# Allegro board meta_carrier_lay_rev1.brd (continued)
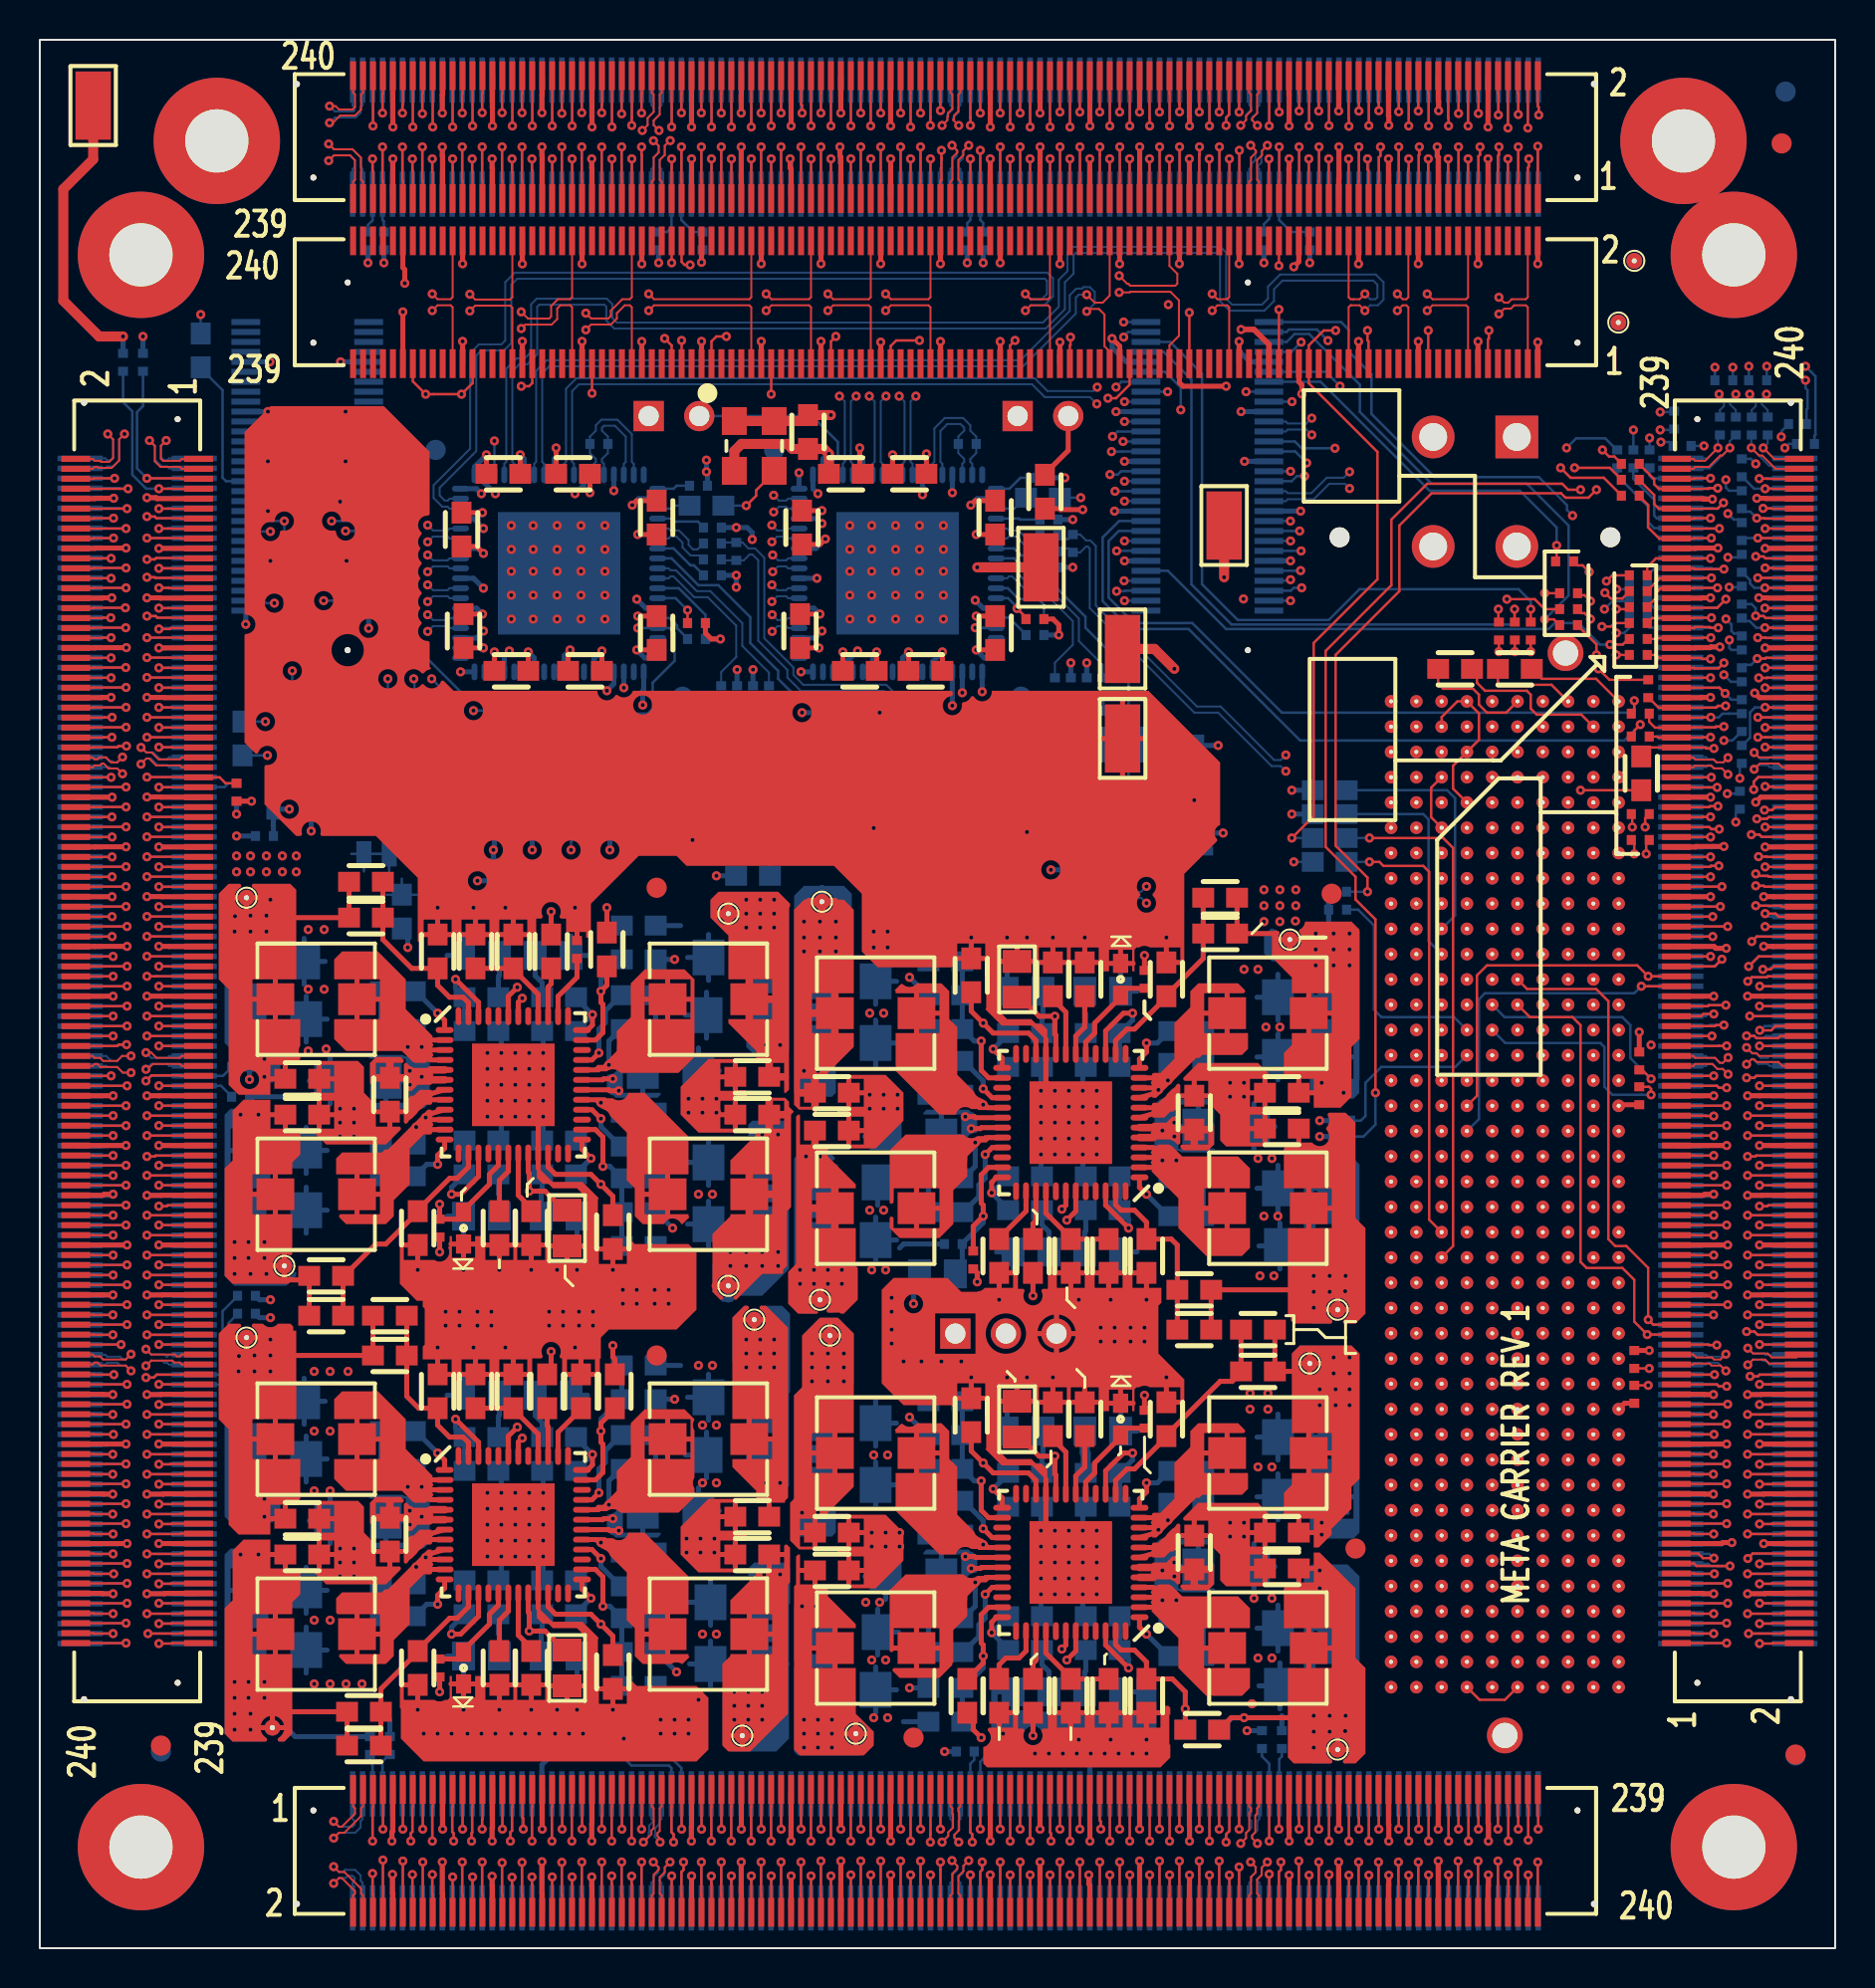
[diagram p0: board, top side]
## Routing (per net, layer and track width the routed paths; a pad name or vN(x,y) marks a point on that pad's centre or on a via; arc(x,y) is an arc through that point) (continued)
N90768718: length 26.4
  TOP w0.127: v1(78.28,64.28) 78.83,63.73 R155.2
  SIGNAL_L12 w0.083: v1(63.27,71.21) 62.9,71.21 62.9,71.2 62.79,71.2 62.23,70.65 62.23,67.44 65.69,63.98 77.98,63.98 v1(78.28,64.28)
  BOTTOM w0.127: v1(63.27,71.21) 62.88,71.21 62.88,71.2 J8.17
N90768719: length 34.5
  SIGNAL_L12 w0.083: v1(84.58,60.68) 85.47,61.57 85.47,64.29 84.78,64.98 84.25,64.98 84.05,65.18 83.38,65.18 82.08,66.48 79.05,66.48 78.61,66.03 78.03,66.03 76.58,67.48 75.38,67.48 74.68,68.18 69.38,68.18 67.82,69.74 67.82,71.44 66.48,72.78 63.18,72.78 62.81,72.41 v1(62.81,71.7)
  BOTTOM w0.127: J8.19 v1(62.81,71.7) ; R157.2 85.46,61.13 85.01,60.68 v1(84.58,60.68)
N93844651: length 1.8
  BOTTOM w0.127: U11.3 R119.2
N93890641: length 1.7
  BOTTOM w0.127: U13.3 R134.2
N96073781: length 1.7
  BOTTOM w0.127: U9.3 R114.2
N907687111: length 30.8
  SIGNAL_L3 w0.081: v1(84.34,78.08) 84.58,77.84 84.58,77.83 84.46,77.71 84.22,77.71 84.2,77.73 84.14,77.73 83.66,78.21 72.64,78.21 71.65,77.22 71.65,75.72 70.51,74.58 68.05,74.58 67.52,75.11 65.54,75.11 64.85,74.42 64.85,73.85 65.12,73.58 65.54,73.58 v1(65.78,73.34)
  BOTTOM w0.102: v1(65.78,73.34) 65.54,73.58 64.77,73.58 63.99,72.8 62.67,72.8 62.58,72.7 J8.23 ; R162.2 84.38,77.28 84.58,77.48 84.58,77.84 v1(84.34,78.08)
N907687112: length 30.4
  SIGNAL_L3 w0.081: v1(85.18,78.08) 84.91,77.81 84.91,77.54 84.75,77.38 84.08,77.38 84.06,77.4 84,77.4 83.52,77.88 72.78,77.88 71.98,77.08 71.98,75.58 70.65,74.25 67.91,74.25 67.38,74.78 65.68,74.78 65.18,74.28 65.18,73.99 65.26,73.91 65.51,73.91 v1(65.78,74.18)
  BOTTOM w0.102: J8.25 62.58,73.2 62.67,73.11 63.86,73.11 64.64,73.88 65.48,73.88 v1(65.78,74.18) ; v1(85.18,78.08) 84.88,77.78 84.88,77.58 85.18,77.28 R164.2
N907687113: length 19.3
  SIGNAL_L5 w0.083: v1(63.53,73.96) 64.46,73.96 65.36,74.86 67.4,74.86 68.18,74.08 75.38,74.08 v1(76.68,75.38)
  BOTTOM w0.127: J8.27 62.87,73.7 63.13,73.96 v1(63.53,73.96) ; v1(76.68,75.38) 77.16,75.86 78.62,75.86 79.2,75.28 R166.2
N907687114: length 19.6
  TOP w0.127: R168.2 79.43,73 78.55,73.88 76.88,73.88 v1(76.38,74.38)
  SIGNAL_L10 w0.083: v1(62.81,74.2) 62.81,73.83 63.05,73.59 64.19,73.59 65.08,74.48 65.55,74.48 65.63,74.55 65.93,74.55 66.01,74.48 66.98,74.48 67.48,73.98 75.98,73.98 v1(76.38,74.38)
  BOTTOM w0.127: v1(62.81,74.2) J8.29
N907687116: length 25.6
  SIGNAL_L5 w0.083: v1(84.13,79.43) 82.78,78.08 67.78,78.08 65.42,75.72 65.42,75.21 65.2,74.99 64.69,74.99 64.33,74.63 v1(63.63,74.63)
  BOTTOM w0.127: v1(63.63,74.63) 63.05,75.2 J8.33 ; v1(84.13,79.43) R170.2
N907687117: length 26.2
  SIGNAL_L10 w0.083: v1(65.05,75.36) 67.4,75.36 68.28,74.48 75.48,74.48 76.01,75.01 77.55,75.01 77.88,74.68 84.58,74.68 84.68,74.58 v1(86.18,74.58)
  BOTTOM w0.127: v1(86.18,74.58) 85.93,74.83 R172.2 ; J8.35 63.03,75.7 63.37,75.36 v1(65.05,75.36)
N907687118: length 30.3
  SIGNAL_L3 w0.081: v1(63.88,76.04) 63.63,76.29 63.47,76.29 63.35,76.16 63.35,75.77 63.65,75.46 64.06,75.46 66.68,78.08 70.81,78.08 71.71,78.98 86.18,78.98 86.51,78.65 86.51,78.29 v1(86.72,78.08)
  BOTTOM w0.102: v1(63.88,76.04) 63.61,76.3 62.67,76.3 62.58,76.2 J8.37 ; v1(86.72,78.08) 86.48,77.85 86.48,77.58 86.78,77.28 R173.2
N907687119: length 30.9
  SIGNAL_L3 w0.081: v1(85.88,78.08) 86.18,78.38 86.18,78.51 86.04,78.65 71.85,78.65 70.95,77.75 66.81,77.75 64.2,75.13 63.52,75.13 63.02,75.63 63.02,76.3 63.34,76.62 63.63,76.62 v1(63.88,76.87)
  BOTTOM w0.102: v1(63.88,76.87) 63.61,76.61 62.67,76.61 62.58,76.7 J8.39 ; R176.2 85.98,77.28 86.18,77.48 86.18,77.78 v1(85.88,78.08)
N907687121: length 21.4
  SIGNAL_L12 w0.083: v1(81.41,75.67) 81.15,75.41 79.75,75.41 77.45,77.7 v1(62.89,77.7)
  BOTTOM w0.127: R178.2 81.84,75.67 v1(81.41,75.67) ; J8.43 v1(62.89,77.7)
N907687122: length 28.2
  SIGNAL_L10 w0.083: v1(85.83,79.48) 85.03,78.68 76.78,78.68 76.14,79.32 61.7,79.32 v1(60.58,78.2)
  BOTTOM w0.127: v1(60.58,78.2) J8.45 ; v1(85.83,79.48) 85.83,78.78 R180.2
N907687123: length 19.2
  TOP w0.127: v1(76.18,70.48) 76.18,69.73 R182.2
  BOTTOM w0.127: v1(76.18,70.48) 76.18,71.38 74.33,73.23 69.8,73.23 64.32,78.7 J8.47
N907687124: length 38.6
  SIGNAL_L12 w0.083: v1(65.3,78.48) 62.91,78.48 62.48,78.05 62.48,77.48 62.68,77.28 64.98,77.28 67.88,74.38 75.58,74.38 75.98,74.78 84.38,74.78 85.5,73.66 85.5,69.03 v1(84.85,68.38)
  BOTTOM w0.127: v1(84.85,68.38) 85.43,68.38 R184.2 ; v1(65.3,78.48) 64.97,78.81 64.97,78.82 64.58,79.2 J8.49
N907687126: length 43.1
  SIGNAL_L10 w0.083: v1(84.85,65.73) 85.5,65.73 86.61,66.84 86.83,66.84 87.08,67.09 87.08,76.48 87.18,76.58 87.18,77.33 87.18,77.33 87.18,77.97 87.18,77.97 87.18,79.68 86.88,79.98 83.08,79.98 82.48,79.38 76.98,79.38 76.15,80.21 63.83,80.21 v1(63.35,80.69)
  BOTTOM w0.127: R186.2 84.96,65.23 84.85,65.33 v1(84.85,65.73) ; v1(63.35,80.69) 62.86,80.2 J8.53
N907687127: length 26.1
  TOP w0.127: v1(75.58,66.77) 76.04,66.77 R188.2
  BOTTOM w0.127: v1(75.58,66.77) 76.78,67.97 76.78,71.48 74.68,73.58 69.9,73.58 66.29,77.19 66.29,78.56 63.75,81.1 63.02,81.1 62.62,80.7 J8.55
N907687128: length 49.9
  SIGNAL_L12 w0.083: v1(85.38,58.78) 86.48,58.78 87.18,59.48 87.18,75.48 85.68,76.98 84.68,76.98 83.45,78.21 81.45,78.21 75.97,83.69 66.4,83.69 64.69,81.99 v1(64.69,80.77)
  BOTTOM w0.127: v1(64.69,80.77) 64.14,81.33 62.74,81.33 62.62,81.2 J8.57 ; v1(85.38,58.78) 85.38,59.43 R190.2
N907687129: length 41.1
  TOP w0.127: v1(79.98,56.33) 79.98,56.93 R192.2
  SIGNAL_L10 w0.083: v1(79.98,56.33) 81.81,58.16 81.81,64.26 79.19,66.89 78.3,66.89 78.03,67.15 77.61,67.15 76.98,67.78 v1(76.98,71.98)
  BOTTOM w0.127: J8.59 65.36,81.7 65.74,81.32 65.74,80.22 66.88,79.08 66.88,77.09 70.05,73.91 75.29,73.91 76.7,72.5 76.7,72.26 v1(76.98,71.98)
N907687131: length 28.2
  TOP w0.127: R145.1 79.83,68.16 79.48,67.81 78.9,67.81 v1(78.6,68.1)
  SIGNAL_L5 w0.083: v1(54.48,67.7) 55.02,68.25 61.11,68.25 62.13,67.23 64.42,67.23 65.46,68.28 74.28,68.28 74.88,67.68 76.34,67.68 76.77,68.1 v1(78.6,68.1)
  BOTTOM w0.127: v1(54.48,67.7) J8.4
N907687132: length 29.1
  TOP w0.127: R146.1 79.73,67.28 v1(79.18,67.28)
  SIGNAL_L3 w0.083: v1(54.08,68.18) 54.91,68.18 56.91,66.18 77.48,66.18 77.63,66.03 78.61,66.03 78.78,66.21 78.79,66.21 78.81,66.23 78.81,66.23 79.18,66.61 v1(79.18,67.28)
  BOTTOM w0.127: J8.6 54.5,68.2 54.47,68.18 v1(54.08,68.18)
N907687133: length 30.4
  SIGNAL_L5 w0.083: v1(79.18,66.08) 78.65,66.08 78.55,65.98 77.68,65.98 77.38,66.28 55.03,66.28 53.58,67.73 53.58,68.28 54,68.7 v1(54.46,68.7)
  BOTTOM w0.127: v1(54.46,68.7) J8.8 ; R151.1 79.83,66.34 79.57,66.08 v1(79.18,66.08)
N907687134: length 26.2
  TOP w0.127: R153.1 79.78,65.78 79.5,65.5 v1(78.86,65.5)
  BOTTOM w0.127: v1(78.86,65.5) 78.36,65.5 77.28,66.58 76.08,66.58 75.78,66.28 59.58,66.28 56.66,69.2 J8.10
N907687136: length 22.8
  TOP w0.127: v1(73.25,67.28) 73.25,66.66 R160.1
  SIGNAL_L3 w0.083: v1(54.08,70.2) 54.74,70.2 57.97,66.98 72.95,66.98 v1(73.25,67.28)
  BOTTOM w0.127: v1(54.08,70.2) J8.14
N907687137: length 35.5
  SIGNAL_L12 w0.083: v1(84.58,63.98) 84.28,64.28 80.18,64.28 79.58,63.68 64.88,63.68 61.48,67.08 59.88,67.08 56.25,70.7 v1(54.48,70.7)
  BOTTOM w0.127: v1(54.48,70.7) J8.16 ; v1(84.58,63.98) 84.93,63.63 R148.1
N907687138: length 34.9
  TOP w0.127: v1(80.08,62.68) 80.08,62.16 79.95,62.03 R149.1
  BOTTOM w0.127: v1(80.08,62.68) 80.08,62.28 79.88,62.08 62.38,62.08 57.88,66.58 54.96,66.58 53.68,67.86 53.68,70.7 54.19,71.2 J8.18
N907687139: length 36.7
  TOP w0.127: R156.1 80.08,61.03 80.08,61.18 v1(80.38,61.48)
  BOTTOM w0.127: J8.20 54.2,71.7 53.38,70.88 53.38,67.68 54.78,66.28 57.7,66.28 63.3,60.68 79.58,60.68 v1(80.38,61.48)
N907687141: length 29.7
  SIGNAL_L5 w0.083: v1(80.85,75.88) 80.85,75.35 78.28,72.78 54.92,72.78 54.85,72.7 v1(54.48,72.7)
  BOTTOM w0.127: v1(54.48,72.7) J8.24 ; v1(80.85,75.88) R161.1
N907687142: length 28.6
  TOP w0.127: v1(78.48,75.28) 78.81,74.95 79.08,74.95 79.43,74.6 R163.1
  SIGNAL_L5 w0.083: v1(78.48,75.28) 78.48,74.91 76.54,72.97 59.29,72.97 59.06,73.2 v1(54,73.2)
  BOTTOM w0.127: J8.26 54.67,73.2 54.67,73.2 v1(54,73.2)
N907687143: length 30.8
  TOP w0.127: R165.1 79.43,73.8 78.85,74.38 v1(77.08,74.38)
  SIGNAL_L5 w0.083: v1(77.08,74.38) 76.38,73.68 67.98,73.68 66.98,74.68 65.48,74.68 64.25,73.45 60.26,73.45 59.39,74.32 54.33,74.32 54.24,74.41 53.59,74.41 53.37,74.19 53.37,73.76 53.54,73.58 53.81,73.58 53.94,73.7 v1(54.48,73.7)
  BOTTOM w0.127: J8.28 v1(54.48,73.7)
N907687144: length 31.7
  SIGNAL_L5 w0.083: v1(80.04,76.28) 78.78,76.28 78.08,75.58 78.08,74.85 76.51,73.28 66.78,73.28 66.28,73.78 65.08,73.78 64.46,73.16 59.96,73.16 59.05,74.08 54.15,74.08 54.12,74.04 v1(53.75,74.04)
  BOTTOM w0.127: v1(80.04,76.28) R167.1 ; v1(53.75,74.04) 54.14,74.04 54.3,74.2 J8.30
N907687146: length 43.2
  SIGNAL_L5 w0.083: v1(53.82,75.19) 54.16,75.19 54.23,75.27 54.23,75.27 54.28,75.31 64.01,75.31 67.68,78.98 82.28,78.98 83.58,80.28 87.88,80.28 v1(88.68,79.48)
  BOTTOM w0.127: J8.34 54.37,75.2 54.36,75.19 v1(53.82,75.19) ; v1(88.68,79.48) 89.18,78.98 89.18,76.04 89.13,75.99 R169.1
N907687147: length 33.9
  SIGNAL_L10 w0.083: v1(84.68,73.78) 84.08,74.38 77.78,74.38 77.38,74.78 76.18,74.78 75.68,74.28 67.88,74.28 67.28,74.88 64.18,74.88 63.36,75.7 v1(54.41,75.7)
  BOTTOM w0.127: R171.1 84.84,73.23 84.68,73.39 v1(84.68,73.78) ; J8.36 v1(54.41,75.7)
N907687148: length 43.1
  SIGNAL_L5 w0.083: v1(88.68,78.78) 88.23,78.78 87.03,79.98 83.88,79.98 82.48,78.58 67.68,78.58 64.18,75.08 54.31,75.08 54.05,74.82 53.65,74.82 53.47,75.01 53.47,75.02 53.45,75.04 53.45,75.53 v1(53.88,75.96)
  BOTTOM w0.127: R174.1 88.73,77.31 88.78,77.36 88.78,78.28 88.68,78.38 v1(88.68,78.78) ; J8.38 54.12,76.2 v1(53.88,75.96)
N907687149: length 41.8
  SIGNAL_L3 w0.083: v1(84.78,72.08) 85.28,72.58 85.28,73.78 84.78,74.28 83.88,74.28 82.38,75.78 82.38,77.38 82.08,77.68 73.48,77.68 72.58,76.78 72.58,75.18 70.18,72.78 58.4,72.78 v1(54.48,76.7)
  BOTTOM w0.127: v1(54.48,76.7) J8.40 ; R175.1 85.33,71.78 85.08,71.78 v1(84.78,72.08)
N907687151: length 29.9
  SIGNAL_L10 w0.083: v1(81.38,77.18) 80.58,77.98 76.85,77.98 75.94,78.89 62.46,78.89 61.27,77.7 v1(54.48,77.7)
  BOTTOM w0.127: v1(81.38,77.18) 82.03,77.18 R177.1 ; v1(54.48,77.7) J8.44
N907687152: length 34.4
  SIGNAL_L12 w0.083: v1(84.78,69.88) 84.78,71.56 84.63,71.71 84.63,71.71 84.41,71.93 84.41,71.93 84.12,72.22 81.84,72.22 80.18,73.88 67.18,73.88 66.38,74.68 64.66,74.68 63.93,75.41 61.04,75.41 58.24,78.2 v1(56.64,78.2)
  BOTTOM w0.127: v1(84.78,69.88) 85.33,69.88 R179.1 ; v1(56.64,78.2) J8.46
N907687153: length 38.9
  SIGNAL_L12 w0.083: v1(84.68,66.78) 84.25,67.22 83.32,67.22 82.98,66.88 78.38,66.88 78.08,67.18 77.38,67.18 75.88,68.68 73.98,68.68 69.1,73.56 66.7,73.56 66.48,73.78 64.78,73.78 64.56,73.56 59.56,73.56 54.69,78.44 v1(54.05,78.44)
  BOTTOM w0.127: v1(84.68,66.78) 84.96,66.51 84.96,66.18 85.09,66.06 85.36,66.06 R181.1 ; J8.48 54.32,78.7 v1(54.05,78.44)
N907687154: length 38.7
  TOP w0.127: v1(75.58,68.08) R183.1
  SIGNAL_L10 w0.083: v1(75.58,68.08) 76.08,68.08 76.58,68.58 76.58,72.95 75.92,73.62 66.03,73.62 65.93,73.71 65.63,73.71 65.53,73.62 64.88,73.62 64.64,73.38 62.59,73.38 60.63,75.33 54.25,75.33 54.25,75.34 54.2,75.34 53.98,75.57 53.77,75.57 53.76,75.57 53.74,75.57 53.73,75.59 53.72,75.59 53.5,75.8 53.5,75.83 53.46,75.87 53.46,76.05 53.5,76.09 53.5,76.11 53.72,76.33 53.74,76.33 53.75,76.33 56.34,76.33 v1(57.3,77.29)
  BOTTOM w0.127: v1(57.3,77.29) 57.3,78.41 56.51,79.2 J8.50
N907687156: length 31.6
  TOP w0.127: v1(74.07,67.28) 74.07,66.64 R185.1
  BOTTOM w0.127: v1(74.07,67.28) 74.07,66.61 73.97,66.51 59.85,66.51 57.84,68.52 57.84,78.81 56.44,80.2 J8.54
N907687157: length 33.2
  TOP w0.127: v1(74.88,67.28) 74.88,66.73 R187.1
  BOTTOM w0.127: v1(74.88,67.28) 74.88,67.67 74.27,68.28 66.28,68.28 64.73,66.73 60.16,66.73 58.37,68.53 58.37,79.1 56.77,80.7 J8.56
N907687158: length 54.1
  TOP w0.127: v1(80.08,54.98) 80.08,55.53 R189.1
  SIGNAL_L12 w0.083: v1(80.08,54.98) 80.08,55.35 79.85,55.58 79.08,55.58 78.78,55.88 78.78,62.78 78.3,63.26 64.9,63.26 61.38,66.78 59.18,66.78 56.64,69.32 53.82,69.32 50.72,72.41 50.72,78.62 53.38,81.28 54.1,81.28 v1(54.43,80.94)
  BOTTOM w0.127: v1(54.43,80.94) 54.4,80.94 54.66,81.2 J8.58
N907687159: length 60.4
  SIGNAL_L12 w0.083: v1(85.18,56.58) 84.68,56.58 84.58,56.68 84.28,56.68 84.16,56.56 83.98,56.38 83.48,56.38 81.58,54.48 78.98,54.48 78.58,54.88 78.58,61.68 78.23,62.03 65.63,62.03 61.28,66.38 58.58,66.38 55.83,69.13 53.74,69.13 53.74,69.14 53.64,69.14 50.5,72.29 50.5,78.7 53.5,81.7 v1(54.43,81.7)
  BOTTOM w0.127: v1(85.18,56.58) 85.18,57.03 R191.1 ; v1(54.43,81.7) J8.60

## Copper pours and planes (outline as drawn; the poured copper is in the pictures)
GND on TOP (solid shape): 35.48,44.48 34.18,44.48 34.18,43.08 35.48,43.08 35.48,42.58 34.18,42.58 34.18,41.18 35.23,41.18 35.33,41.12 35.31,41.01 35.28,40.98 33.08,40.98 32.18,41.88 32.18,43.28 33.58,44.68 35.48,44.68
GND on TOP (solid shape): 35.48,22.38 34.18,22.38 34.18,20.98 35.48,20.98 35.48,20.48 34.18,20.48 34.18,19.08 35.23,19.08 35.33,19.02 35.31,18.91 35.28,18.88 33.08,18.88 32.18,19.78 32.18,21.18 33.58,22.58 35.48,22.58
GND on TOP (solid shape): 43.38,42.98 43.38,41.58 41.98,40.18 40.08,40.18 40.08,40.38 41.38,40.38 41.38,41.78 40.08,41.78 40.08,42.28 41.38,42.28 41.38,43.68 40.33,43.68 40.23,43.74 40.25,43.85 40.28,43.88 42.48,43.88
GND on TOP (solid shape): 43.38,20.88 43.38,19.48 41.98,18.08 40.08,18.08 40.08,18.28 41.38,18.28 41.38,19.68 40.08,19.68 40.08,20.18 41.38,20.18 41.38,21.58 40.33,21.58 40.23,21.64 40.25,21.75 40.28,21.78 42.48,21.78
GND on TOP (solid shape): 16.28,44.28 16.28,42.98 16.68,42.58 16.88,42.58 16.88,41.28 18.03,41.28 18.13,41.22 18.11,41.11 17.38,40.38 14.38,40.38 13.75,41.01 13.73,41.12 13.83,41.18 14.78,41.18 14.78,42.58 13.58,42.58 13.58,42.98 14.78,42.98 14.78,44.38 13.83,44.38 13.73,44.44 13.75,44.55 13.78,44.58 15.98,44.58
GND on TOP (solid shape): 16.28,22.18 16.28,20.88 16.68,20.48 16.88,20.48 16.88,19.18 18.03,19.18 18.13,19.12 18.11,19.01 17.38,18.28 14.38,18.28 13.75,18.91 13.73,19.02 13.83,19.08 14.78,19.08 14.78,20.48 13.58,20.48 13.58,20.88 14.78,20.88 14.78,22.28 13.83,22.28 13.73,22.34 13.75,22.45 13.78,22.48 15.98,22.48
GND on TOP (solid shape): 61.81,43.85 61.83,43.74 61.73,43.68 60.78,43.68 60.78,42.28 61.98,42.28 61.98,41.88 60.78,41.88 60.78,40.48 61.73,40.48 61.83,40.42 61.81,40.31 61.78,40.28 59.58,40.28 59.28,40.58 59.28,41.88 58.88,42.28 58.68,42.28 58.68,43.58 57.53,43.58 57.43,43.64 57.45,43.75 58.18,44.48 61.18,44.48
GND on TOP (solid shape): 61.81,21.75 61.83,21.64 61.73,21.58 60.78,21.58 60.78,20.18 61.98,20.18 61.98,19.78 60.78,19.78 60.78,18.38 61.73,18.38 61.83,18.32 61.81,18.21 61.78,18.18 59.58,18.18 59.28,18.48 59.28,19.78 58.88,20.18 58.68,20.18 58.68,21.48 57.53,21.48 57.43,21.54 57.45,21.65 58.18,22.38 61.18,22.38
GND on TOP (solid shape): 19.68,20.99 19.71,20.89 19.76,20.81 19.77,20.78 19.76,20.75 19.68,20.59 19.7,20.42 19.69,20.32 19.6,20.28 19.38,20.28 19.17,20.07 19.04,19.98 18.95,19.85 18.69,19.59 18.56,19.5 18.47,19.38 18.45,19.35 18.34,19.33 18.28,19.43 18.28,20.48 18.38,20.48 18.63,20.73 18.78,20.73 19.08,21.03 19.68,21.03
GND on TOP (solid shape): 57.11,43.41 57.22,43.43 57.28,43.33 57.28,42.28 57.18,42.28 56.93,42.03 56.78,42.03 56.48,41.73 55.88,41.73 55.88,41.77 55.85,41.87 55.8,41.95 55.79,41.98 55.8,42.01 55.88,42.17 55.86,42.34 55.87,42.44 55.96,42.48 56.18,42.48 56.39,42.69 56.52,42.78 56.61,42.91 56.87,43.17 57,43.26 57.09,43.38
GND on TOP (solid shape): 19.68,43.09 19.71,42.99 19.76,42.91 19.77,42.88 19.76,42.85 19.68,42.69 19.7,42.52 19.69,42.42 19.6,42.38 19.38,42.38 19.17,42.17 19.16,42.16 19.04,42.08 18.95,41.96 18.95,41.95 18.69,41.69 18.68,41.69 18.56,41.6 18.47,41.48 18.45,41.45 18.34,41.43 18.28,41.53 18.28,42.58 18.38,42.58 18.63,42.83 18.78,42.83 19.08,43.13 19.68,43.13
GND on TOP (solid shape): 57.11,21.31 57.22,21.33 57.28,21.23 57.28,20.18 57.18,20.18 56.93,19.93 56.78,19.93 56.48,19.63 55.88,19.63 55.88,19.67 55.85,19.77 55.8,19.85 55.79,19.88 55.8,19.91 55.88,20.07 55.86,20.24 55.87,20.34 55.96,20.38 56.18,20.38 56.39,20.59 56.4,20.6 56.52,20.68 56.61,20.8 56.61,20.81 56.87,21.07 56.88,21.07 57,21.16 57.09,21.28
GND on TOP (solid shape): 25.05,17.18 25.12,17.15 25.15,17.08 25.15,17 25.75,16.4 27.26,16.4 28.07,15.59 28.04,15.53 28.03,15.53 28.03,13.93 28.08,13.93 28.08,12.28 29.48,12.28 29.48,13.48 29.68,13.48 29.98,13.18 32.98,13.18 33.58,12.58 33.58,9.98 32.98,9.38 19.28,9.38 18.13,10.53 18.13,12.03 18.08,12.08 18.08,13.45 18.11,13.47 18.22,13.49 18.28,13.4 18.28,12.48 19.81,12.48 20.07,12.4 20.33,12.47 20.35,12.48 20.48,12.48 20.58,12.58 20.58,13.15 20.58,13.68 20.7,13.68 20.7,12.6 21.86,12.6 21.86,13.68 22.38,13.68 22.38,12.48 23.78,12.48 23.78,13.68 23.98,13.68 23.98,12.48 25.38,12.48 25.38,13.68 25.55,13.68 25.55,12.4 27.41,12.4 27.41,13.81 27.48,13.88 27.48,15.58 27.46,15.6 27.46,15.81 27.25,15.81 26.98,16.08 25.76,16.08 25.53,16.31 25.25,16.31 24.96,16.6 24.96,16.99 24.91,17.04 24.91,17.08 24.94,17.15 25.01,17.18
GND on TOP (solid shape): 51.08,11.08 52.48,11.08 52.48,12.18 52.98,12.18 52.98,11.08 54.38,11.08 54.38,12.18 54.88,12.18 54.88,11.08 56.28,11.08 56.28,12.18 56.68,12.18 56.78,12.08 56.78,11.73 56.73,11.73 56.73,10.23 56.78,10.23 56.78,9.58 56.28,9.08 47.58,9.08 47.38,9.28 47.38,10.11 47.42,10.12 47.74,10.45 47.63,10.91 47.61,11.02 47.71,11.08 48.88,11.08 48.88,11.98 49.13,11.98 49.13,11.03 49.35,11.03 49.44,10.98 49.45,10.88 49.88,10.2 50.31,10.88 50.32,10.98 50.41,11.03 50.63,11.03 50.63,11.98 50.68,11.98 50.88,12.18 51.08,12.18
GND on TOP (solid shape): 25.05,39.28 25.12,39.25 25.15,39.18 25.15,39.1 25.75,38.5 27.26,38.5 28.07,37.69 28.04,37.63 28.03,37.63 28.03,36.03 28.08,36.03 28.08,34.38 29.48,34.38 29.48,35.58 29.68,35.58 29.88,35.38 32.58,35.38 32.98,34.98 32.98,32.08 31.98,31.08 28.58,31.08 28.18,30.68 28.18,29.63 28.13,29.63 28.13,28.83 27.98,28.68 27.88,28.68 27.88,29.58 26.48,29.58 26.48,28.68 26.23,28.68 26.23,29.63 26.21,29.63 26.12,29.68 26.11,29.78 25.68,30.46 25.25,29.78 25.24,29.68 25.15,29.63 24.73,29.63 24.73,28.53 24.68,28.48 24.48,28.48 24.48,29.58 23.08,29.58 23.08,28.48 22.58,28.48 22.58,29.58 21.18,29.58 21.18,28.48 20.68,28.48 20.68,29.58 19.23,29.58 19.23,30.23 19.33,30.33 19.33,32.13 19.23,32.23 19.23,32.53 18.93,32.53 18.08,33.38 18.08,35.55 18.11,35.57 18.22,35.59 18.28,35.5 18.28,34.58 19.81,34.58 20.39,34.61 20.52,35.18 20.51,35.19 20.51,35.25 20.58,35.25 20.58,35.78 20.7,35.78 20.7,34.7 21.86,34.7 21.86,35.78 22.38,35.78 22.38,34.58 23.78,34.58 23.78,35.78 23.98,35.78 23.98,34.58 25.38,34.58 25.38,35.78 25.55,35.78 25.55,34.5 27.41,34.5 27.41,35.91 27.48,35.98 27.48,37.68 27.46,37.7 27.46,37.91 27.25,37.91 26.98,38.18 25.76,38.18 25.53,38.41 25.25,38.41 24.96,38.7 24.96,39.09 24.91,39.14 24.91,39.18 24.94,39.25 25.01,39.28
GND on TOP (solid shape): 49.13,33.13 49.35,33.13 49.37,33.13 49.4,33.12 49.42,33.11 49.44,33.08 49.45,33.06 49.46,33.03 49.45,33 49.43,32.96 49.41,32.9 49.4,32.84 49.4,32.77 49.4,32.71 49.42,32.65 49.44,32.59 49.47,32.54 49.5,32.48 49.54,32.44 49.59,32.4 49.64,32.36 49.7,32.34 49.76,32.32 49.82,32.3 49.88,32.3 49.94,32.3 50,32.32 50.06,32.34 50.12,32.36 50.17,32.4 50.22,32.44 50.26,32.48 50.29,32.54 50.32,32.59 50.34,32.65 50.36,32.71 50.36,32.77 50.36,32.84 50.35,32.9 50.33,32.96 50.31,33 50.3,33.03 50.31,33.06 50.32,33.08 50.34,33.11 50.36,33.12 50.39,33.13 50.41,33.13 50.63,33.13 50.63,34.28 51.08,34.28 51.08,33.18 52.48,33.18 52.48,34.28 52.98,34.28 52.98,33.18 54.38,33.18 54.38,34.28 54.88,34.28 54.88,33.18 56.33,33.18 56.33,32.43 56.18,32.28 56.18,29.88 57.48,28.58 57.48,27.21 57.44,27.18 57.42,27.16 57.39,27.16 57.36,27.16 57.33,27.17 57.31,27.19 57.29,27.22 57.28,27.25 57.28,27.26 57.28,28.18 55.75,28.18 55.72,28.2 55.66,28.22 55.61,28.24 55.55,28.26 55.49,28.26 55.43,28.26 55.37,28.25 55.31,28.23 55.25,28.2 55.21,28.18 55.08,28.18 54.98,28.08 54.98,27.51 54.98,26.98 54.86,26.98 54.86,28.06 53.7,28.06 53.7,26.98 53.18,26.98 53.18,28.18 51.78,28.18 51.78,26.98 51.58,26.98 51.58,28.18 50.18,28.18 50.18,26.98 50.01,26.98 50.01,28.26 48.15,28.26 48.15,26.85 48.08,26.78 48.08,25.08 48.1,25.06 48.1,24.85 48.31,24.85 48.58,24.58 49.8,24.58 50.03,24.35 50.31,24.35 50.6,24.06 50.6,23.67 50.65,23.62 50.65,23.54 50.63,23.52 50.61,23.5 50.59,23.49 50.47,23.49 50.45,23.5 50.43,23.52 50.41,23.54 50.41,23.66 49.81,24.26 48.3,24.26 47.49,25.07 47.52,25.13 47.53,25.13 47.53,26.73 47.48,26.73 47.48,28.38 46.08,28.38 46.08,27.18 45.88,27.18 45.78,27.28 43.38,27.28 42.28,28.38 42.28,29.87 46.99,29.87 46.99,30.88 47.51,30.88 47.51,30.79 47.52,30.7 47.54,30.61 47.57,30.53 47.6,30.45 47.65,30.37 47.7,30.29 47.75,30.22 47.81,30.16 47.88,30.1 47.95,30.04 48.03,30 48.11,29.96 48.19,29.92 48.28,29.9 48.36,29.88 48.45,29.87 48.54,29.87 48.63,29.87 48.72,29.89 48.81,29.91 48.89,29.94 48.97,29.97 49.05,30.02 49.13,30.07 49.2,30.13 49.26,30.19 49.32,30.26 49.37,30.33 49.42,30.41 49.45,30.49 49.48,30.57 49.51,30.66 49.52,30.75 49.53,30.84 49.53,30.88 50.1,30.88 50.1,30.79 50.11,30.71 50.13,30.62 50.16,30.54 50.2,30.46 50.24,30.38 50.29,30.31 50.34,30.24 50.4,30.18 50.47,30.12 50.54,30.07 50.62,30.03 50.7,29.99 50.78,29.96 50.86,29.94 50.95,29.92 51.04,29.92 51.13,29.92 51.21,29.93 51.3,29.95 51.38,29.97 51.46,30.01 51.54,30.05 51.62,30.09 51.68,30.15 51.75,30.21 51.81,30.27 51.86,30.34 51.9,30.42 51.94,30.5 51.97,30.58 52,30.66 52.01,30.75 52.02,30.84 52.02,30.92 52.01,31.01 52,31.1 51.97,31.18 51.94,31.26 51.9,31.34 51.86,31.42 51.81,31.49 51.75,31.55 51.68,31.61 51.62,31.67 51.54,31.71 51.46,31.75 51.38,31.79 51.3,31.81 51.21,31.83 51.13,31.84 51.04,31.84 50.95,31.84 50.86,31.82 50.78,31.8 50.7,31.77 50.62,31.73 50.54,31.69 50.47,31.64 50.4,31.58 50.34,31.52 50.29,31.45 50.24,31.38 50.2,31.3 50.16,31.22 50.13,31.14 50.11,31.05 50.1,30.97 50.1,30.88 49.53,30.88 49.53,30.92 49.52,31.01 49.51,31.1 49.48,31.19 49.45,31.27 49.42,31.35 49.37,31.43 49.32,31.5 49.26,31.57 49.2,31.63 49.13,31.69 49.05,31.74 48.97,31.79 48.89,31.82 48.81,31.85 48.72,31.87 48.63,31.89 48.54,31.89 48.45,31.89 48.36,31.88 48.28,31.86 48.19,31.84 48.11,31.8 48.03,31.76 47.95,31.72 47.88,31.66 47.81,31.6 47.75,31.54 47.7,31.47 47.65,31.39 47.6,31.31 47.57,31.23 47.54,31.15 47.52,31.06 47.51,30.97 47.51,30.88 46.99,30.88 46.99,31.89 44.97,31.89 44.97,29.87 42.28,29.87 42.28,32.38 43.4,32.38 43.4,32.32 43.42,32.26 43.43,32.2 43.46,32.14 43.49,32.09 43.53,32.05 43.58,32 43.63,31.97 43.69,31.94 43.74,31.92 43.8,31.91 43.86,31.9 43.93,31.9 43.99,31.91 44.05,31.93 44.1,31.95 44.16,31.99 44.2,32.02 44.25,32.07 44.28,32.12 44.31,32.17 44.34,32.23 44.35,32.29 44.36,32.35 44.36,32.41 44.35,32.47 44.34,32.53 44.31,32.59 44.28,32.64 44.25,32.69 44.2,32.74 44.16,32.77 44.1,32.81 44.05,32.83 43.99,32.85 43.93,32.86 43.86,32.86 43.8,32.85 43.74,32.84 43.69,32.82 43.63,32.79 43.58,32.76 43.53,32.71 43.49,32.67 43.46,32.62 43.43,32.56 43.42,32.5 43.4,32.44 43.4,32.38 42.28,32.38 42.28,33.08 42.88,33.68 45.58,33.68 46.28,32.98 47.08,32.98 47.1,33 47.15,33 47.21,33.02 47.28,33.04 47.33,33.07 47.39,33.11 47.43,33.15 47.45,33.18 48.88,33.18 48.88,34.28 49.13,34.28
GND on TOP (solid shape): outline of 1816 points within 10.28,45.59 59.28,77.48
GND on BOTTOM (solid shape): 48.1,11.95 49.51,11.95 49.58,11.88 53.58,11.88 53.65,11.95 55.06,11.95 55.06,13.58 55.58,13.58 56.08,13.08 56.08,9.58 55.64,9.14 52.85,9.14 52.85,9.09 52.63,9.09 52.63,9.14 49.62,9.14 49.38,9.38 49.38,10.08 49.08,10.38 48.21,10.38 48.08,10.38 47.78,10.68 49.4,10.68 49.4,10.62 49.42,10.56 49.43,10.5 49.46,10.44 49.49,10.39 49.53,10.35 49.58,10.3 49.63,10.27 49.69,10.24 49.74,10.22 49.8,10.21 49.86,10.2 49.93,10.2 49.99,10.21 50.05,10.23 50.1,10.25 50.16,10.29 50.2,10.32 50.25,10.37 50.28,10.42 50.31,10.47 50.34,10.53 50.35,10.59 50.36,10.65 50.36,10.71 50.35,10.77 50.34,10.83 50.31,10.89 50.28,10.94 50.25,10.99 50.2,11.04 50.16,11.07 50.1,11.11 50.05,11.13 49.99,11.15 49.93,11.16 49.86,11.16 49.8,11.15 49.74,11.14 49.69,11.12 49.63,11.09 49.58,11.06 49.53,11.01 49.49,10.97 49.46,10.92 49.43,10.86 49.42,10.8 49.4,10.74 49.4,10.68 47.78,10.68 47.78,13.38 47.98,13.58 48.1,13.58
GND on BOTTOM: 19.08,10.28 18.08,11.28 14.58,11.28 12.48,13.38 12.48,28.78 13.38,29.68 13.38,34.88 12.83,35.43 12.83,40.33 12.38,40.78 12.38,51.48 13.18,52.28 15.38,52.28 17.58,50.08 19.08,50.08 19.18,50.18 19.18,51.98 19.98,52.78 22.58,52.78 23.38,53.58 32.88,53.58 33.48,52.98 33.48,51.68 34.28,50.88 34.28,45.98 35.48,44.78 35.48,42.68 34.28,41.48 34.28,35.18 33.68,34.58 33.68,32.58 34.48,31.78 34.48,23.28 35.48,22.28 35.48,20.48 34.58,19.58 34.58,14.08 34.38,13.88 34.38,13.18 34.03,12.83 34.03,11.43 32.88,10.28 ; 2 cut-outs
GND on BOTTOM: 42.38,10.78 41.38,11.78 41.38,16.68 40.18,17.88 40.18,19.98 41.38,21.18 41.38,29.18 41.18,29.38 41.18,39.38 40.18,40.38 40.18,42.18 41.08,43.08 41.08,50.18 41.13,50.23 41.13,52.63 42.48,53.98 47.58,53.98 49.28,52.28 56.88,52.28 59.18,49.98 59.18,47.78 58.78,47.38 54.18,47.38 53.68,47.88 53.68,48.88 53.48,49.08 49.28,49.08 49.18,48.98 49.18,47.78 48.78,47.38 47.48,47.38 47.18,47.68 47.18,49.98 46.38,50.78 43.98,50.78 43.28,50.08 43.28,32.08 44.28,31.08 47.08,31.08 47.88,31.88 47.88,35.38 48.08,35.58 48.98,35.58 49.48,35.08 49.48,33.88 49.68,33.68 53.48,33.68 53.78,33.98 53.78,34.98 54.38,35.58 59.08,35.58 59.98,36.48 59.98,42.18 59.48,42.68 59.48,48.58 60.33,49.43 63.03,49.43 63.18,49.28 63.18,33.88 62.28,32.98 62.28,22.88 63.28,21.88 63.28,11.58 63.18,11.48 60.78,11.48 60.18,12.08 60.18,19.98 59.48,20.68 59.48,24.58 58.68,25.38 54.08,25.38 53.88,25.58 53.88,26.78 53.58,27.08 49.38,27.08 49.08,26.78 49.08,25.78 48.68,25.38 47.58,25.38 47.38,25.58 47.38,27.88 46.98,28.28 43.98,28.28 43.48,27.78 43.48,19.88 43.38,19.78 43.38,17.58 43.68,17.28 43.68,10.98 43.48,10.78
GND on GND_L2, GND_L4, GND_L6, GND_L9, GND_L11, GND_L13: 0.89,0.89 0.89,95 89.28,95 89.28,0.89
(no net) on TOP: 9.68,39.58 9.28,39.18 9.28,33.78 9.68,33.38 12.48,33.38 12.68,33.58 12.68,39.48 13.08,39.88 13.08,42.58 12.98,42.68 10.28,42.68 9.68,42.08
(no net) on TOP: 20.78,42.38 19.38,42.38 17.38,40.38 14.38,40.38 13.58,41.18 13.58,44.38 13.78,44.58 15.98,44.58 16.28,44.28 16.28,42.98 16.68,42.58 18.38,42.58 19.08,43.28 20.68,43.28 20.78,43.18
(no net) on TOP: 54.88,18.28 56.78,18.28 57.38,17.68 60.18,17.68 60.78,17.08 60.78,13.08 60.38,12.68 58.58,12.68 57.18,14.08 57.18,15.58 55.78,16.98 54.88,16.98
(no net) on TOP: 66.58,14.08 66.58,9.78 66.08,9.28 62.98,9.28 62.68,9.58 62.68,15.58 62.48,15.78 62.48,18.08 62.53,18.13 62.53,19.73 62.68,19.88 64.28,19.88 66.08,18.08 66.08,14.58
(no net) on TOP: 20.88,22.28 18.58,22.28 18.18,22.68 16.88,22.68 16.58,22.38 16.58,21.38 16.98,20.98 18.68,20.98 18.98,21.28 20.88,21.28
(no net) on TOP: 37.88,42.28 37.43,42.73 36.03,42.73 35.98,42.68 35.98,40.88 34.68,39.58 34.68,36.78 33.78,35.88 33.78,32.98 34.18,32.58 34.98,32.58 36.28,33.88 37.28,33.88 37.53,34.13 37.53,37.03 37.88,37.38
(no net) on TOP: 50.88,12.18 50.68,11.98 47.58,11.98 47.38,11.78 47.38,9.28 47.58,9.08 56.28,9.08 56.78,9.58 56.78,12.08 56.68,12.18
(no net) on TOP: 48.78,40.88 43.48,40.88 42.68,40.08 42.68,36.18 43.18,35.68 45.18,35.68 45.88,36.38 45.88,38.08 46.58,38.78 46.58,39.78 47.28,40.48 48.88,40.48 48.88,40.78
(no net) on TOP: 20.78,42.38 19.58,42.38 17.18,39.98 15.18,39.98 14.88,39.68 14.88,36.88 15.38,36.38 17.38,36.38 17.78,36.78 17.78,37.58 18.58,38.38 18.58,40.18 19.28,40.88 20.78,40.88
(no net) on TOP: 8.98,48.68 8.98,52.98 9.48,53.48 12.58,53.48 12.88,53.18 12.88,47.18 13.08,46.98 13.08,44.68 13.03,44.63 13.03,43.03 12.88,42.88 9.98,42.88 9.48,43.38 9.48,48.18
(no net) on TOP: 65.88,23.18 66.28,23.58 66.28,29.88 65.88,30.28 63.28,30.28 62.88,29.88 62.88,23.28 62.48,22.88 62.48,20.18 62.58,20.08 64.18,20.08 64.88,20.78 64.88,21.08 65.88,22.08
(no net) on TOP: 48.78,18.78 43.48,18.78 42.68,17.98 42.68,14.08 43.18,13.58 45.18,13.58 45.88,14.28 45.88,15.98 46.58,16.68 46.58,17.68 47.28,18.38 48.88,18.38 48.88,18.68
(no net) on TOP: 26.78,43.98 32.08,43.98 32.88,44.78 32.88,48.68 32.38,49.18 30.38,49.18 29.68,48.48 29.68,46.78 28.98,46.08 28.98,45.08 28.28,44.38 26.68,44.38 26.68,44.08
(no net) on TOP: 28.08,42.18 28.28,42.18 29.48,40.98 29.48,38.58 29.88,38.18 29.88,36.78 30.28,36.38 32.28,36.38 32.63,36.73 32.58,36.78 32.58,40.78 30.38,42.98 27.18,42.98 27.18,42.38 27.88,42.38
(no net) on TOP: 9.68,17.48 9.28,17.08 9.28,10.78 9.68,10.38 12.28,10.38 12.68,10.78 12.68,17.38 13.08,17.78 13.08,20.48 12.98,20.58 10.28,20.58 9.68,19.98
(no net) on TOP: 35.48,44.68 33.58,44.68 32.18,43.28 32.18,41.88 33.08,40.98 35.28,40.98 35.48,41.18
(no net) on TOP: 26.78,21.88 32.08,21.88 32.88,22.68 32.88,26.58 32.38,27.08 30.38,27.08 29.68,26.38 29.68,24.68 28.98,23.98 28.98,22.98 28.28,22.28 26.68,22.28 26.68,21.98
(no net) on TOP: 37.33,20.63 36.03,20.63 35.98,20.58 35.98,18.78 34.68,17.48 34.68,14.68 34.28,14.28 34.28,10.18 34.58,9.88 35.68,9.88 37.58,11.78 37.58,18.28 37.68,18.38 37.68,20.28
(no net) on TOP: 20.78,20.28 19.38,20.28 17.38,18.28 14.38,18.28 13.58,19.08 13.58,22.28 13.78,22.48 15.98,22.48 16.28,22.18 16.28,20.88 16.68,20.48 18.38,20.48 19.08,21.18 20.68,21.18 20.78,21.08
(no net) on TOP: 20.68,44.48 18.78,44.48 18.18,45.08 15.38,45.08 14.78,45.68 14.78,49.68 15.18,50.08 16.98,50.08 18.38,48.68 18.38,47.18 19.78,45.78 20.68,45.78
(no net) on TOP: 54.68,18.38 56.98,18.38 57.38,17.98 58.68,17.98 58.98,18.28 58.98,19.28 58.58,19.68 56.88,19.68 56.58,19.38 54.68,19.38
(no net) on TOP: 54.78,20.38 55.98,20.38 58.38,22.78 60.38,22.78 60.68,23.08 60.68,25.88 60.18,26.38 58.18,26.38 57.78,25.98 57.78,25.18 56.98,24.38 56.98,22.58 56.28,21.88 54.78,21.88
(no net) on TOP: 47.48,20.58 47.28,20.58 46.08,21.78 46.08,24.18 45.68,24.58 45.68,25.98 45.28,26.38 43.28,26.38 42.93,26.03 42.98,25.98 42.98,21.98 45.18,19.78 48.38,19.78 48.38,20.38 47.68,20.38
(no net) on TOP: 50.28,44.38 50.28,45.78 49.78,46.28 48.38,46.28 47.48,47.18 47.48,49.18 47.38,49.28 45.88,49.28 45.83,49.33 45.78,49.28 42.08,49.28 41.28,50.08 41.28,52.98 39.88,54.38 32.48,54.38 31.98,54.88 30.08,54.88 27.68,52.48 27.68,50.88 27.58,50.78 24.88,50.78 24.68,50.58 18.98,50.58 18.98,53.78 16.88,55.88 12.88,55.88 11.28,57.48 11.28,59.58 10.28,60.58 10.28,76.18 11.58,77.48 17.28,77.48 19.58,75.18 19.58,64.38 20.78,63.18 55.68,63.18 59.28,59.58 59.28,55.78 57.48,53.98 57.48,49.28 57.38,49.18 55.78,49.18 55.78,50.08 55.58,50.28 55.08,50.28 54.98,50.18 54.98,49.08 48.28,49.08 48.08,48.88 48.08,47.18 48.58,46.68 50.08,46.68 50.78,45.98 50.78,44.38
(no net) on TOP: 54.68,40.48 56.98,40.48 57.38,40.08 58.68,40.08 58.98,40.38 58.98,41.38 58.58,41.78 56.88,41.78 56.58,41.48 54.68,41.48
(no net) on TOP: 37.88,42.38 38.13,42.13 39.53,42.13 39.58,42.18 39.58,43.98 40.88,45.28 40.88,52.18 40.38,52.68 38.38,52.68 37.88,52.18
(no net) on TOP: 35.98,22.98 34.78,24.18 34.78,31.68 35.38,32.28 36.48,32.28 37.58,31.18 37.58,20.98 37.38,20.78 36.08,20.78 35.98,20.88
(no net) on TOP: 66.58,36.18 66.58,31.88 66.08,31.38 62.98,31.38 62.68,31.68 62.68,37.68 62.48,37.88 62.48,40.18 62.53,40.23 62.53,41.83 62.68,41.98 65.58,41.98 66.08,41.48 66.08,36.68
(no net) on TOP: 37.68,22.38 37.68,20.48 38.13,20.03 39.53,20.03 39.58,20.08 39.58,21.88 40.88,23.18 40.88,29.68 40.88,30.88 40.08,31.68 39.18,31.68 38.28,30.78 38.28,28.18 37.88,27.78 37.88,22.58
(no net) on TOP: 39.58,17.68 40.98,16.28 40.98,11.78 41.88,10.88 41.88,10.18 41.38,9.68 38.18,9.68 37.88,9.98 37.88,18.18 37.98,18.28 37.98,19.68 38.18,19.88 39.48,19.88 39.58,19.78